# Altium PCB LimeSDR-QPCIe_1v2.PcbDoc (part 7 of 21) (continued)
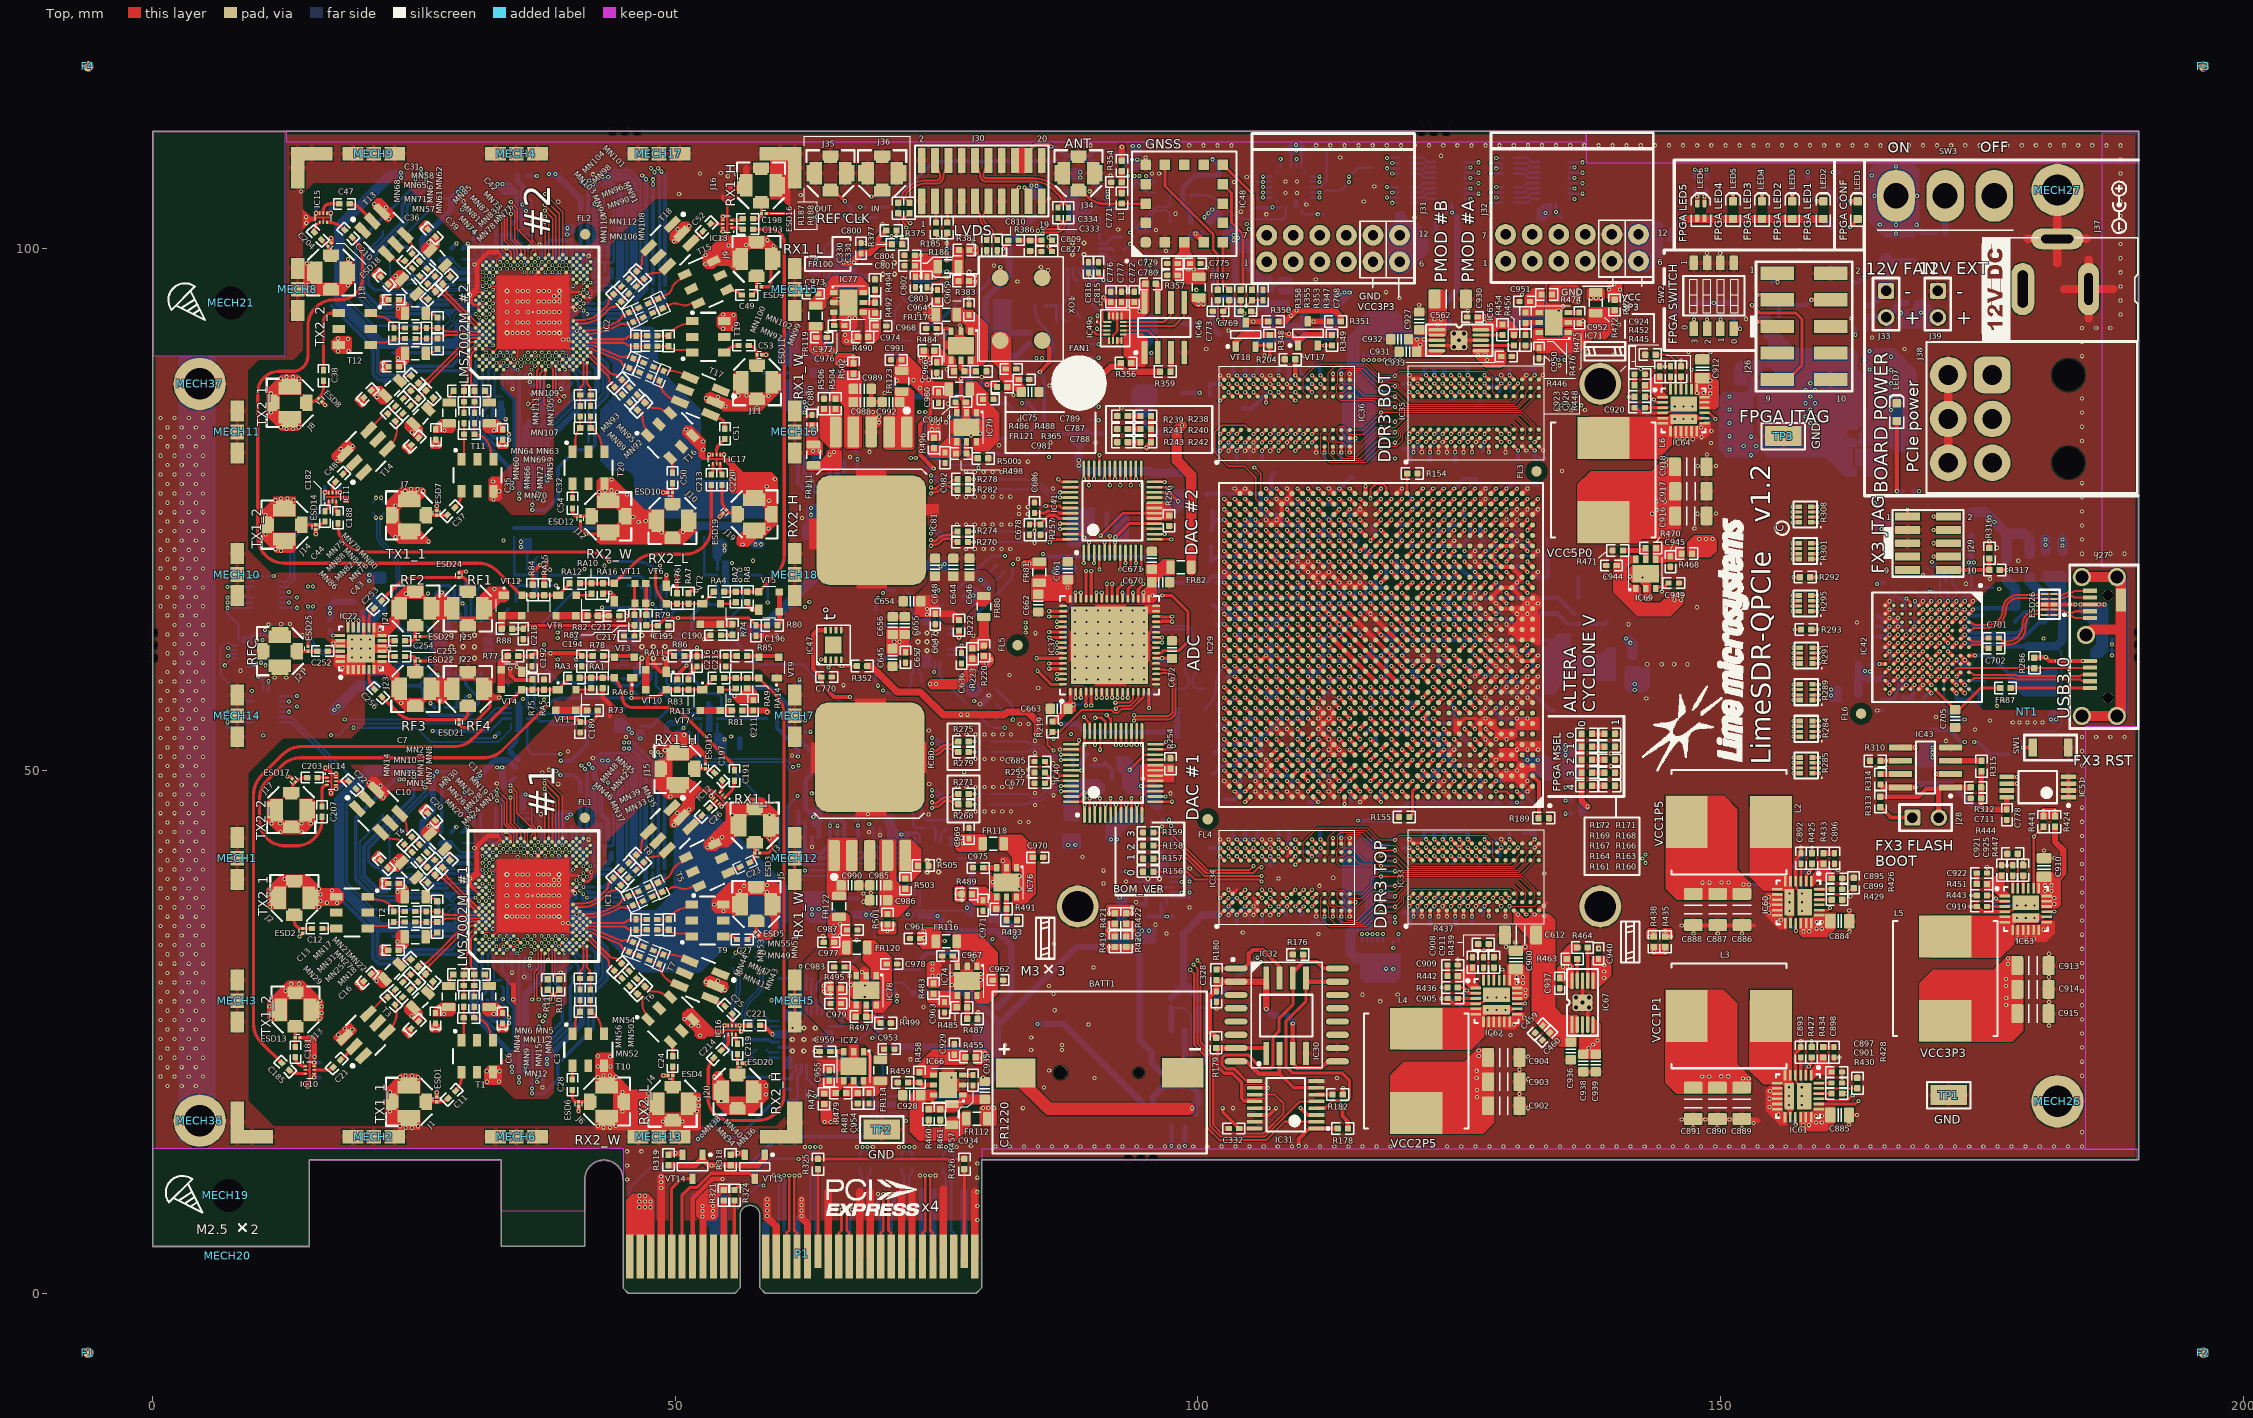
[diagram p0: Top view]
## Nets (pads, with @x,y where several pads share a name; then routed paths per layer and width w, separated by ;. In a path a pad name is that pad's centre, name@x,y a point inside that pad or via, vN(x,y) a via of type N, cw(c..) or ccw(c..) an arc to the next point about the centre after c; other vN are vias at no path point) (continued)
  Top w0.4: IC29.AJ7@126.025,75.5 v2(126.525,76)
  L10 w0.1: v1(117.525,87.275) 118.375,88.125 119.02,88.125 119.65,87.495 119.65,86.258 121.875,84.033 121.875,83.575 123.05,82.4 123.05,81.275 123.275,81.05 124.575,81.05 125,80.625 125,79.35 127.075,77.275 127.075,76.55 v2(126.525,76)
  Bottom w0.254: v1(117.525,87.275) R203.2@118.2,87.275
DDR3_BOT_A13: IC29.AK7 IC35.T3 IC36.T3 R203.8 | length 41.6
  Top w0.1: IC36.T3@114.525,82.6 115.85,82.6 v1(117.525,84.275) 117.525,84.27 130.98,84.27 IC35.T3@132.625,82.625
  Top w0.4: IC29.AK7@126.025,76.5 v2(126.525,77)
  L10 w0.1: v1(117.525,84.275) 117.363,84.113 116.812,84.113 116.625,84.3 116.625,84.875 118.15,86.4 118.942,86.4 121.475,83.867 121.475,81.125 121.825,80.775 121.825,80.337 122.087,80.075 123.675,80.075 124.225,79.525 124.225,78.9 124.375,78.75 125.017,78.75 125.3,78.467 125.3,78.2 125.15,78.05 124.4,78.05 124.225,77.875 124.225,77.6 124.375,77.45 126.075,77.45 v2(126.525,77)
  Bottom w0.254: v1(117.525,84.275) R203.8@118.2,84.275
DDR3_BOT_BA0: IC29.AH9 IC35.M2 IC36.M2 R200.8 | length 33.3
  Top w0.309: v1(110.925,81.4) IC36.M2@111.325,81.8 ; IC35.M2@129.425,81.825 v1(129.825,81.425)
  Top w0.4: IC29.AH9@124.025,74.5 v2(124.525,75)
  L3 w0.1: v2(124.525,75) 124.525,75.495 129,79.97 129,80.6 v1(129.825,81.425)
  L10 w0.1: v1(110.925,81.4) 112.825,83.3 118.125,83.3 118.65,82.775 120.3,82.775 120.65,82.425 120.65,81.175 119.35,79.875 ; v1(118.875,79.875) 119.35,79.875 ; v2(124.525,75) 124.525,75.495 123.05,76.97 123.05,77.425 121.275,79.2 120.025,79.2 119.35,79.875
  Bottom w0.254: R200.8@118.2,79.875 v1(118.875,79.875) v1@118.9,79.875
DDR3_BOT_BA1: IC29.AH10 IC35.N8 IC36.N8 R205.5 | length 45.4
  Top w0.309: v1(111.725,87) IC36.N8@112.125,86.6 ; IC35.N8@130.225,86.625 v1(130.625,87.025)
  Top w0.4: IC29.AH10@123.025,74.5 v2(123.525,75)
  L3 w0.1: v2(123.525,75) 123.9,74.625 123.9,73.12 124.37,72.65 124.67,72.65 124.875,72.855 124.875,74.855 130.25,80.23 130.25,80.825 130.625,81.2 v1(130.625,87.025)
  L12 w0.1: v1(117.35,89.275) 117.875,89.8 125.758,89.8 126.433,90.475 128.292,90.475 130.625,88.142 v1(130.625,87.025)
  L8 w0.1: v1(111.725,87) 111.725,87.305 114.245,89.825 116.795,89.825 117.345,89.275 v1(117.35,89.275)
  Bottom w0.254: v1@117.35,89.25 v1(117.35,89.275) R205.5@117.35,89.95
DDR3_BOT_BA2: IC29.AJ10 IC35.M3 IC36.M3 R205.8 | length 45.5
  Top w0.1: v1@110.88,82.245 v1(110.925,82.2)
  Top w0.309: v1(110.925,82.2) IC36.M3@111.325,82.6 ; IC35.M3@129.425,82.625 v1(129.825,82.225)
  Top w0.4: IC29.AJ10@123.025,75.5 v2(123.525,76)
  L10 w0.1: v1(110.925,82.2) 115.85,87.125 v1(115.85,89.275)
  L12 w0.1: v1(115.85,89.275) 116.2,89.625 117.417,89.625 117.792,90 125.675,90 126.35,90.675 128.375,90.675 131,88.05 131,83.4 v1(129.825,82.225) 130.175,81.875 130.175,80.1 128.625,78.55 127.57,78.55 125.67,76.65 124.175,76.65 v2(123.525,76)
  Bottom w0.254: v1@115.85,89.25 v1(115.85,89.275) R205.8@115.85,89.95
DDR3_BOT_CASN: IC29.AF9 IC35.K3 IC36.K3 R205.4 | length 38.9
  Top w0.309: v1(109.325,82.2) IC36.K3@109.725,82.6 ; v1(127.425,82.225) IC35.K3@127.825,82.625
  Top w0.4: IC29.AF9@124.025,72.5 v2(124.525,73)
  L3 w0.1: v2(124.525,73) 124.15,73.375 124.15,76.13 125,76.98 125,77.697 127.425,80.122 127.425,80.775 127.775,81.125 127.775,81.875 v1(127.425,82.225)
  L10 w0.1: v1(117.85,89.275) 117.855,89.275 118.205,88.925 118.917,88.925 119.317,88.525 120.508,88.525 121.558,87.475 122,87.475 122.2,87.275 122.2,84.933 124.033,83.1 126.033,83.1 126.558,82.575 127.075,82.575 v1(127.425,82.225)
  L8 w0.1: v1(109.325,82.2) 115.35,88.225 116.8,88.225 v1(117.85,89.275)
  Bottom w0.254: v1@117.85,89.25 v1(117.85,89.275) R205.4@117.85,89.95
DDR3_BOT_CK_N: IC29.AA14 IC35.K7 IC36.K7 R202.2 R207.2 | length 52.3
  Top w0.309: v1(109.325,86.2) IC36.K7@109.725,85.8 ; v1(127.425,86.225) IC35.K7@127.825,85.825
  Top w0.4: IC29.AA14@119.025,67.5 v2(119.525,68)
  L6 w0.1: v1(109.325,86.2) 109.625,85.9 110.533,85.9 110.741,85.691 114.309,85.691 116.992,88.375 126.225,88.375 126.725,87.875 126.725,87.425 127.025,87.125 127.025,86.625 v1(127.425,86.225) 127.125,85.925 127.125,84.525 128.375,83.275 128.375,80.117 125.833,77.575 125.425,77.575 125.15,77.3 125.15,76.742 124.758,76.35 124.38,76.35 124.125,76.095 124.125,75.692 123.833,75.4 123.4,75.4 123.125,75.125 123.125,74.825 123.075,74.775 123.075,74.772 122.753,74.45 122.75,74.45 122.675,74.375 122.25,74.375 122.125,74.25 122.125,73.767 121.808,73.45 120.767,73.45 120.375,73.45 120.15,73.225 120.15,71.847 119.653,71.35 118.38,71.35 118.175,71.145 118.175,70.855 118.175,68.225 118.8,67.6 119.275,67.6 119.525,67.85 v2(119.525,68)
  Bottom w0.1: R202.2@108.575,86.3 108.675,86.2 v1(109.325,86.2) ; v1(127.425,86.225) 127.125,85.925 127.125,85.35 R207.2@127.525,84.95
DDR3_BOT_CK_P: IC29.Y13 IC35.J7 IC36.J7 R202.1 R207.1 | length 52.3
  Top w0.309: IC36.J7@108.925,85.8 v1(109.325,85.4) ; v1(126.625,86.225) IC35.J7@127.025,85.825
  Top w0.4: v2(119.525,67) IC29.Y13@120.025,66.5
  L6 w0.1: v1(109.325,85.4) 109.625,85.7 110.45,85.7 110.659,85.491 114.391,85.491 114.4,85.5 117.075,88.175 126.142,88.175 126.525,87.792 126.525,87.425 126.225,87.125 126.225,86.625 v1(126.625,86.225) 126.925,85.925 126.925,84.442 128.175,83.192 128.175,80.2 125.75,77.775 125.342,77.775 124.95,77.383 124.95,76.825 124.675,76.55 124.297,76.55 123.925,76.178 123.925,75.775 123.75,75.6 123.317,75.6 122.925,75.208 122.925,74.908 122.875,74.858 122.875,74.855 122.67,74.65 122.667,74.65 122.592,74.575 122.167,74.575 121.925,74.333 121.925,73.85 121.725,73.65 120.292,73.65 119.95,73.308 119.95,71.93 119.57,71.55 118.297,71.55 117.975,71.228 117.975,70.772 117.975,68.142 118.717,67.4 119.275,67.4 119.525,67.15 v2(119.525,67)
  Bottom w0.1: R202.1@108.575,85.3 108.675,85.4 v1(109.325,85.4) ; R207.1@126.525,84.95 126.925,85.35 126.925,85.925 v1(126.625,86.225)
DDR3_BOT_CKE: IC29.AK18 IC35.K9 IC36.K9 R204.1 | length 36.5
  Top w0.309: v1(109.325,87.8) IC36.K9@109.725,87.4 ; v1(127.425,87.825) IC35.K9@127.825,87.425
  Top w0.4: v1(109.325,87.8) R204.1@109.325,89.35 ; v2(114.525,77) IC29.AK18@115.025,76.5
  L6 w0.1: v1(109.325,87.8) 108.9,87.375 108.9,85.003 113.3,80.603 113.3,78.225 v2(114.525,77)
  L10 w0.1: v1(109.325,87.8) 111.35,89.825 125.425,89.825 v1(127.425,87.825)
DDR3_BOT_CSN: IC29.Y12 IC35.L2 IC36.L2 R205.7 | length 51.5
  Top w0.309: v1(110.125,81.4) IC36.L2@110.525,81.8 ; IC35.L2@128.625,81.825 v1(129.025,81.425)
  Top w0.4: IC29.Y12@121.025,66.5 v2(121.525,67)
  L6 w0.1: v1(116.35,89.275) 116.825,88.8 126.945,88.8 128,87.745 128,83.933 128.625,83.308 128.625,81.825 v1(129.025,81.425)
  L8 w0.1: v1(110.125,81.4) 109.725,81.8 109.175,81.8 108.975,82 108.975,82.525 114.125,87.675 114.125,88.125 114.875,88.875 115.95,88.875 v1(116.35,89.275) ; v2(121.525,67) 121.875,67.35 121.875,69.855 124.875,72.855 124.875,73.572 125.125,73.822 125.125,74.095 128.45,77.42 128.45,80.85 v1(129.025,81.425)
  Bottom w0.254: v1@116.35,89.25 v1(116.35,89.275) R205.7@116.35,89.95
DDR3_BOT_DM0: IC29.AE15 IC35.E7 | length 27.1
  Top w0.309: v1(123.425,86.225) IC35.E7@123.825,85.825
  Top w0.4: IC29.AE15@118.025,71.5 v2(118.525,72)
  L8 w0.1: v2(118.525,72) 118.975,72.45 122.875,72.45 123.053,72.628 123.647,72.628 124.925,73.905 124.925,74.905 127.275,77.255 127.275,80.78 127.775,81.28 127.775,83.985 128.275,84.485 128.275,84.602 128.275,84.692 128.275,85.869 127.57,86.575 124.08,86.575 123.73,86.225 v1(123.425,86.225)
DDR3_BOT_DM1: IC29.AH19 IC35.D3 | length 19.7
  Top w0.309: v1(122.625,82.225) IC35.D3@123.025,82.625
  Top w0.4: IC29.AH19@114.025,74.5 v2(114.525,75)
  L8 w0.1: v2(114.525,75) 114.9,74.625 115.85,74.625 117.125,73.35 122.37,73.35 122.875,73.855 122.875,74.145 122.075,74.945 122.075,78.95 121.8,79.225 121.8,80.625 122.225,81.05 122.225,81.575 122.625,81.975 v1(122.625,82.225)
DDR3_BOT_DM2: IC29.AJ23 IC36.E7 | length 13.4
  Top w0.309: v1(105.325,86.2) IC36.E7@105.725,85.8
  Top w0.4: v2(109.525,76) IC29.AJ23@110.025,75.5
  L8 w0.1: v1(105.325,86.2) 105.325,82.75 105.7,82.375 105.7,80.475 105.975,80.2 106.313,80.2 109.15,77.363 109.15,76.375 v2(109.525,76)
DDR3_BOT_DM3: IC29.AJ27 IC36.D3 | length 13.4
  Top w0.15: IC36.D3@104.925,82.6 104.475,83.05 102.275,83.05 101.625,82.4 101.625,80.425 102.95,79.1 104.475,79.1 105.55,78.025 105.55,75.975 IC29.AJ27@106.025,75.5
DDR3_BOT_DQ0: IC29.AF15 IC35.E3 | length 21.6
  Top w0.309: v1(123.425,82.225) IC35.E3@123.825,82.625
  Top w0.4: v2(117.525,73) IC29.AF15@118.025,72.5
  L3 w0.1: v2(117.525,73) 117.525,73.505 119.37,75.35 119.85,75.35 120.1,75.6 120.1,77.07 120.38,77.35 122.097,77.35 122.675,77.928 122.675,78.043 ccw(c122.371,78.043) 122.371,78.347 121.164,78.347 cw(c121.164,78.651) 120.86,78.651 cw(c121.164,78.651) 121.164,78.955 122.675,78.955 124.283,78.955 ccw(c124.283,79.259) 124.587,79.259 ccw(c124.283,79.259) 124.283,79.563 122.675,79.563 122.502,79.563 cw(c122.502,79.867) 122.198,79.867 cw(c122.502,79.867) 122.502,80.171 ccw(c122.502,80.344) 122.675,80.344 122.675,80.475 122.675,80.775 123.075,81.175 123.075,81.875 ; 123.1,81.875 123.1,81.9 v1(123.425,82.225)
DDR3_BOT_DQ1: IC29.AE16 IC35.F7 | length 20.8
  Top w0.309: v1(124.225,86.225) IC35.F7@124.625,85.825
  Top w0.4: IC29.AE16@117.025,71.5 v2(117.525,72)
  L6 w0.1: v2(117.525,72) 119.14,73.615 119.14,75.182 119.403,75.445 120.465,75.445 121.37,76.35 122.37,76.35 123.37,77.35 123.67,77.35 123.95,77.35 124.975,78.375 124.975,80.65 125.425,81.1 125.425,85.025 v1(124.225,86.225)
DDR3_BOT_DQ2: IC29.AJ14 IC35.F2 | length 21
  Top w0.309: v1(124.225,81.425) IC35.F2@124.625,81.825
  Top w0.4: IC29.AJ14@119.025,75.5 v2(119.525,76)
  L6 w0.1: v2(119.525,76) 119.125,76.4 119.125,77.15 119.725,77.75 122.107,77.75 122.6,78.243 122.6,80.725 122.225,81.1 122.225,82.4 ccw(c121.921,82.4) 121.921,82.704 121.692,82.704 cw(c121.692,83.008) 121.388,83.008 cw(c121.692,83.008) 121.692,83.312 122.225,83.312 122.758,83.312 ccw(c122.758,83.616) 123.062,83.616 ccw(c122.758,83.616) 122.758,83.92 122.529,83.92 cw(c122.529,84.224) 122.225,84.224 122.225,84.25 122.225,84.35 122.425,84.55 124.425,84.55 124.625,84.35 124.625,81.825 v1(124.225,81.425)
DDR3_BOT_DQ3: IC29.AH15 IC35.F8 | length 21.8
  Top w0.309: v1(124.225,87.025) IC35.F8@124.625,86.625
  Top w0.4: IC29.AH15@118.025,74.5 v2(118.525,75)
  L3 w0.1: v2(118.525,75) 119.1,75.575 119.1,77.3 121.875,80.075 121.875,80.629 122.175,80.929 122.175,82.27 122.48,82.575 124.25,82.575 124.6,82.925 124.6,83.2 ccw(c124.296,83.2) 124.296,83.504 123.934,83.504 cw(c123.934,83.808) 123.63,83.808 cw(c123.934,83.808) 123.934,84.112 124.6,84.112 125.266,84.112 ccw(c125.266,84.416) 125.57,84.416 ccw(c125.266,84.416) 125.266,84.72 124.6,84.72 123.934,84.72 cw(c123.934,85.024) 123.63,85.024 cw(c123.934,85.024) 123.934,85.328 124.296,85.328 ccw(c124.296,85.632) 124.6,85.632 124.6,86.65 v1(124.225,87.025)
DDR3_BOT_DQ4: IC29.AE17 IC35.H3 | length 21.7
  Top w0.309: v1(125.825,82.225) IC35.H3@126.225,82.625
  Top w0.4: v2(115.525,71) IC29.AE17@116.025,71.5
  L3 w0.1: v2(115.525,71) 116.03,71 122.38,77.35 123.087,77.35 125,79.263 125,80.684 124.575,81.109 124.575,82.55 124.816,82.791 124.816,83.691 125,83.875 125.8,83.875 125.975,83.7 125.975,82.375 v1(125.825,82.225)
DDR3_BOT_DQ5: IC29.AD17 IC35.H8 | length 21.7
  Top w0.309: v1(125.825,87.025) IC35.H8@126.225,86.625
  Top w0.4: IC29.AD17@116.025,70.5 v2(116.525,71)
  L3 w0.1: v2(116.525,71) 117.175,71.65 117.67,71.65 125.875,79.855 125.875,80.809 126.175,81.109 126.175,86.675 v1(125.825,87.025)
DDR3_BOT_DQ6: IC29.AJ15 IC35.G2 | length 21
  Top w0.309: v1(125.025,81.425) IC35.G2@125.425,81.825
  Top w0.4: IC29.AJ15@118.025,75.5 v2(118.525,76)
  L6 w0.1: v2(118.525,76) 118.03,76 117.175,75.145 117.175,74.6 117.425,74.35 118.725,74.35 118.94,74.565 118.94,75.265 119.32,75.645 119.845,75.645 120.1,75.9 120.1,76.15 120.55,76.6 121.63,76.6 122.58,77.55 123.753,77.55 123.867,77.55 124.2,77.883 124.2,77.968 ccw(c123.896,77.968) 123.896,78.272 123.424,78.272 cw(c123.424,78.576) 123.12,78.576 cw(c123.424,78.576) 123.424,78.88 124.2,78.88 124.391,78.88 ccw(c124.391,79.184) 124.695,79.184 ccw(c124.391,79.184) 124.391,79.488 124.2,79.488 123.424,79.488 cw(c123.424,79.792) 123.12,79.792 cw(c123.424,79.792) 123.424,80.096 123.896,80.096 ccw(c123.896,80.4) 124.2,80.4 124.2,80.85 124.775,81.425 v1(125.025,81.425)
DDR3_BOT_DQ7: IC29.AF14 IC35.H7 | length 21.6
  Top w0.309: v1(125.825,86.225) IC35.H7@126.225,85.825
  Top w0.4: IC29.AF14@119.025,72.5 v2(119.525,73)
  L3 w0.1: v2(119.525,73) 120.15,73.625 120.645,73.625 123.647,76.628 123.875,76.855 123.875,77.572 126.975,80.672 126.975,86.375 126.75,86.6 126.533,86.6 126.175,86.958 126.175,87.325 126.025,87.475 125.625,87.475 125.375,87.225 125.375,86.95 125.825,86.5 v1(125.825,86.225)
DDR3_BOT_DQ8: IC29.AK17 IC35.D7 | length 20.9
  Top w0.309: v1(122.625,86.225) IC35.D7@123.025,85.825
  Top w0.4: IC29.AK17@116.025,76.5 v2(116.025,77.207)
  L6 w0.1: v2(116.025,77.207) 116.025,78.225 ccw(c115.721,78.225) 115.721,78.529 115.384,78.529 cw(c115.384,78.833) 115.08,78.833 cw(c115.384,78.833) 115.384,79.137 116.025,79.137 116.666,79.137 ccw(c116.666,79.441) 116.97,79.441 ccw(c116.666,79.441) 116.666,79.745 116.025,79.745 115.384,79.745 cw(c115.384,80.049) 115.08,80.049 cw(c115.384,80.049) 115.384,80.353 116.025,80.353 116.666,80.353 ccw(c116.666,80.657) 116.97,80.657 ccw(c116.666,80.657) 116.666,80.961 116.329,80.961 cw(c116.329,81.265) 116.025,81.265 116.025,82.125 116.025,82.4 117.475,83.85 120.25,83.85 v1(122.625,86.225)
DDR3_BOT_DQ9: IC29.AK16 IC35.C3 | length 21.8
  Top w0.309: v1(121.825,82.225) IC35.C3@122.225,82.625
  Top w0.4: IC29.AK16@117.025,76.5 v2(117.525,77)
  L3 w0.1: v2(117.525,77) 117.525,77.45 ccw(c117.221,77.45) 117.221,77.754 117.099,77.754 cw(c117.099,78.058) 116.795,78.058 cw(c117.099,78.058) 117.099,78.362 117.525,78.362 117.871,78.362 ccw(c117.871,78.666) 118.175,78.666 ccw(c117.871,78.666) 117.871,78.97 117.525,78.97 117.099,78.97 cw(c117.099,79.274) 116.795,79.274 cw(c117.099,79.274) 117.099,79.578 117.221,79.578 ccw(c117.221,79.882) 117.525,79.882 117.525,80.225 117.525,80.3 118,80.775 118,82.8 117.4,83.4 117.4,83.65 118,84.25 118,86.15 118.175,86.325 119.83,86.325 120.08,86.575 120.37,86.575 120.575,86.37 120.575,85.15 121.4,84.325 121.4,82.775 121.825,82.35 v1(121.825,82.225)
DDR3_BOT_DQ10: IC29.AG17 IC35.C8 | length 21.6
  Top w0.309: v1(121.825,87.025) IC35.C8@122.225,86.625
  Top w0.4: v2(115.525,74) IC29.AG17@116.025,73.5
  L3 w0.1: v2(115.525,74) 116.525,74 116.775,74.25 116.775,76.038 117.1,76.363 117.1,77.3 116.575,77.825 116.575,79.65 117.075,80.15 117.075,86.45 117.275,86.65 118.2,86.65 118.675,87.125 119.025,87.125 119.375,86.775 119.675,86.775 119.85,86.95 119.85,87.25 119.975,87.375 120.37,87.375 120.675,87.07 120.675,86.85 120.925,86.6 121.4,86.6 v1(121.825,87.025)
DDR3_BOT_DQ11: IC29.AJ18 IC35.C2 | length 21
  Top w0.309: v1(121.825,81.425) IC35.C2@122.225,81.825
  Top w0.4: v2(114.525,76) IC29.AJ18@115.025,75.5
  L6 w0.1: v2(114.525,76) 115.1,76.575 117.605,76.575 119.225,78.195 119.225,78.475 ccw(c118.921,78.475) 118.921,78.779 118.039,78.779 cw(c118.039,79.083) 117.735,79.083 cw(c118.039,79.083) 118.039,79.387 119.225,79.387 120.411,79.387 ccw(c120.411,79.691) 120.715,79.691 ccw(c120.411,79.691) 120.411,79.995 119.529,79.995 cw(c119.529,80.299) 119.225,80.299 cw(c119.529,80.299) 119.529,80.603 119.824,80.603 ccw(c119.824,80.907) 120.128,80.907 ccw(c119.824,80.907) 119.824,81.211 119.529,81.211 cw(c119.529,81.515) 119.225,81.515 119.225,81.575 119.225,82 120.025,82.8 121,82.8 121.45,82.35 121.45,82.025 121.825,81.65 v1(121.825,81.425)
DDR3_BOT_DQ12: IC29.AG16 IC35.A7 | length 21.6
  Top w0.309: v1(120.225,86.225) IC35.A7@120.625,85.825
  Top w0.4: IC29.AG16@117.025,73.5 v2(117.525,74)
  L3 w0.1: v2(117.525,74) 117.525,74.495 118.875,75.845 118.875,77.358 119.48,77.963 119.48,78.218 cw(c119.784,78.218) 119.784,78.522 119.913,78.522 ccw(c119.913,78.826) 120.217,78.826 ccw(c119.913,78.826) 119.913,79.13 119.784,79.13 cw(c119.784,79.434) 119.48,79.434 cw(c119.784,79.434) 119.784,79.738 120.122,79.738 ccw(c120.122,80.042) 120.426,80.042 ccw(c120.122,80.042) 120.122,80.346 119.784,80.346 cw(c119.784,80.65) 119.48,80.65 119.48,80.88 119.675,81.075 121.275,81.075 121.475,81.275 121.475,82.4 121.125,82.75 120.75,82.75 120.475,83.025 120.475,83.6 120.625,83.75 120.9,83.75 121.125,83.975 121.125,84.3 120.75,84.675 119.525,84.675 119.2,85 119.2,85.55 119.525,85.875 119.875,85.875 v1(120.225,86.225)
DDR3_BOT_DQ13: IC29.AF16 IC35.A2 | length 21.7
  Top w0.309: v1(120.225,81.425) IC35.A2@120.625,81.825
  Top w0.4: v2(116.525,72) IC29.AF16@117.025,72.5
  L3 w0.1: v2(116.525,72) 116.747,72 117.175,72.428 117.175,73.867 117.175,75.375 117.325,75.525 117.925,75.525 118.1,75.7 118.1,76.175 118.275,76.35 118.55,76.35 118.675,76.475 118.675,76.875 118.503,77.047 118.253,77.047 118.075,77.225 118.075,77.5 118.225,77.65 118.884,77.65 119.03,77.795 119.03,78 118.905,78.125 118.75,78.125 118.575,78.3 118.575,78.525 118.775,78.725 119.05,78.725 119.264,78.939 119.264,79.981 118.775,80.47 118.775,80.75 119.28,81.255 119.28,81.475 118.4,82.355 118.4,83.842 118.658,84.1 119.517,84.1 120.025,83.592 120.025,82.575 119.775,82.325 119.775,81.875 v1(120.225,81.425)
DDR3_BOT_DQ14: IC29.AJ19 IC35.B8 | length 21.7
  Top w0.309: v1(121.025,87.025) IC35.B8@121.425,86.625
  Top w0.4: v2(113.525,76) IC29.AJ19@114.025,75.5
  L3 w0.1: v2(113.525,76) 114.03,76 115.1,77.07 115.1,77.7 ccw(c114.796,77.7) 114.796,78.004 114.701,78.004 cw(c114.701,78.308) 114.397,78.308 cw(c114.701,78.308) 114.701,78.612 115.1,78.612 115.499,78.612 ccw(c115.499,78.916) 115.803,78.916 ccw(c115.499,78.916) 115.499,79.22 115.404,79.22 cw(c115.404,79.524) 115.1,79.524 115.1,80.375 115.525,80.8 115.775,81.05 115.775,86.275 117.75,88.25 120.4,88.25 121.025,87.625 v1(121.025,87.025)
DDR3_BOT_DQ15: IC29.AH20 IC35.A3 | length 21.6
  Top w0.309: v1(120.225,82.225) IC35.A3@120.625,82.625
  Top w0.4: IC29.AH20@113.025,74.5 v2(113.525,75)
  L3 w0.1: v2(113.525,75) 114.15,74.375 114.645,74.375 115.37,73.65 116.675,73.65 116.975,73.95 116.975,75.955 117.875,76.855 117.875,77.854 118.375,78.354 118.375,78.7 cw(c118.637,78.7) 118.637,78.962 ccw(c118.637,79.266) 118.941,79.266 ccw(c118.637,79.266) 118.637,79.57 118.375,79.57 118.029,79.57 cw(c118.029,79.874) 117.725,79.874 cw(c118.029,79.874) 118.029,80.178 118.071,80.178 ccw(c118.071,80.482) 118.375,80.482 118.375,81.425 118.375,81.975 118.2,82.15 118.2,83.925 118.575,84.3 119.6,84.3 120.225,83.675 v1(120.225,82.225)
DDR3_BOT_DQ16: IC29.AE18 IC36.E3 | length 21
  Top w0.309: v1(105.325,82.2) IC36.E3@105.725,82.6
  Top w0.4: v2(114.525,72) IC29.AE18@115.025,71.5
  L6 w0.1: v1(105.325,82.2) 104.9,81.775 104.405,81.775 104.15,81.52 104.15,80.272 104.003,80.125 103.075,80.125 102.9,79.95 102.9,79.675 103.15,79.425 103.75,79.425 105.85,77.325 106.7,77.325 106.875,77.15 106.875,76.725 107.15,76.45 107.57,76.45 107.9,76.12 107.9,75.6 108.125,75.375 108.645,75.375 111.37,72.65 111.925,72.65 112.225,72.35 114.175,72.35 v2(114.525,72)
DDR3_BOT_DQ17: IC29.AD18 IC36.F7 | length 21.7
  Top w0.309: v1(106.525,85.234) IC36.F7@106.525,85.8
  Top w0.4: v2(114.525,71) IC29.AD18@115.025,70.5
  L3 w0.1: v1(106.525,85.234) 106.741,85.234 108.075,83.9 108.075,83.573 cw(c107.771,83.573) 107.771,83.269 107.766,83.269 ccw(c107.766,82.965) 107.462,82.965 ccw(c107.766,82.965) 107.766,82.661 107.771,82.661 cw(c107.771,82.357) 108.075,82.357 108.075,80.815 108.075,80.511 108.075,80.207 cw(c107.771,80.207) 107.771,79.903 107.079,79.903 ccw(c107.079,79.599) 106.775,79.599 ccw(c107.079,79.599) 107.079,79.295 107.771,79.295 cw(c107.771,78.991) 108.075,78.991 108.075,78.687 108.075,78.079 108.075,77.975 108.075,77.945 114.525,71.495 v2(114.525,71)
DDR3_BOT_DQ18: IC29.AJ20 IC36.F2 | length 21
  Top w0.309: v1(106.125,81.4) IC36.F2@106.525,81.8
  Top w0.4: v2(112.525,76) IC29.AJ20@113.025,75.5
  L6 w0.1: v1(106.125,81.4) 105.875,81.4 105.741,81.534 105.741,82.279 105.47,82.55 104.225,82.55 103.925,82.85 103.925,84.267 104.183,84.525 107.467,84.525 108.95,83.042 108.95,80.4 109.125,80.225 110.517,80.225 111.875,78.867 111.875,76.75 112.525,76.1 v2(112.525,76)
DDR3_BOT_DQ19: IC29.AK22 IC36.F8 | length 21.7
  Top w0.309: v1(106.125,87) IC36.F8@106.525,86.6
  Top w0.4: v2(110.525,77) IC29.AK22@111.025,76.5
  L3 w0.1: v1(106.125,87) 106.5,86.625 107,86.625 107.275,86.35 107.275,85.775 110.525,82.525 110.525,81.2 cw(c110.221,81.2) 110.221,80.896 110.016,80.896 ccw(c110.016,80.592) 109.712,80.592 ccw(c110.016,80.592) 110.016,80.288 110.525,80.288 110.814,80.288 cw(c110.814,79.984) 111.118,79.984 cw(c110.814,79.984) 110.814,79.68 110.525,79.68 109.558,79.68 ccw(c109.558,79.376) 109.254,79.376 ccw(c109.558,79.376) 109.558,79.072 110.525,79.072 111.226,79.072 cw(c111.226,78.768) 111.53,78.768 cw(c111.226,78.768) 111.226,78.464 110.525,78.464 109.558,78.464 ccw(c109.558,78.16) 109.254,78.16 ccw(c109.558,78.16) 109.558,77.856 110.221,77.856 cw(c110.221,77.552) 110.525,77.552 110.525,77.25 v2(110.525,77)
DDR3_BOT_DQ20: IC29.AF19 IC36.H3 | length 20.7
  Top w0.309: v1(107.725,82.2) IC36.H3@108.125,82.6
  Top w0.4: v2(113.525,73) IC29.AF19@114.025,72.5
  L6 w0.1: v1(107.725,82.2) 108.15,81.775 108.15,81.15 108.437,80.863 108.437,80.188 108.95,79.675 108.95,79.3 108.95,79.024 ccw(c109.254,79.024) 109.254,78.72 109.746,78.72 cw(c109.746,78.416) 110.05,78.416 cw(c109.746,78.416) 109.746,78.112 108.95,78.112 108.485,78.112 ccw(c108.485,77.808) 108.181,77.808 ccw(c108.485,77.808) 108.485,77.504 108.646,77.504 cw(c108.646,77.2) 108.95,77.2 108.95,76.725 109.15,76.525 111.495,76.525 112.887,75.133 112.887,74.737 112.575,74.425 111.325,74.425 111.125,74.225 111.125,73.825 112.4,72.55 113.075,72.55 v2(113.525,73)
DDR3_BOT_DQ21: IC29.AF18 IC36.H8 | length 21.7
  Top w0.309: v1(107.725,87) IC36.H8@108.125,86.6
  Top w0.4: v2(114.525,73) IC29.AF18@115.025,72.5
  L3 w0.1: v1(107.725,87) 108.075,86.65 108.075,86.05 111.75,82.375 111.75,80.15 ccw(c112.054,80.15) 112.054,79.846 112.617,79.846 cw(c112.617,79.542) 112.921,79.542 cw(c112.617,79.542) 112.617,79.238 112.054,79.238 ccw(c112.054,78.934) 111.75,78.934 ccw(c112.054,78.934) 112.054,78.63 112.617,78.63 cw(c112.617,78.326) 112.921,78.326 cw(c112.617,78.326) 112.617,78.022 112.054,78.022 ccw(c112.054,77.718) 111.75,77.718 111.75,77.525 111.75,77.275 113.075,75.95 113.075,74.945 114.525,73.495 v2(114.525,73)
DDR3_BOT_DQ22: IC29.AH21 IC36.G2 | length 20.9
  Top w0.309: v1(106.925,81.4) IC36.G2@107.325,81.8
  Top w0.4: v2(111.525,75) IC29.AH21@112.025,74.5
  L6 w0.1: v1(106.925,81.4) 107.275,81.05 107.275,80.7 107.275,80.432 cw(c106.971,80.432) 106.971,80.128 104.785,80.128 ccw(c104.785,79.824) 104.481,79.824 ccw(c104.785,79.824) 104.785,79.52 107.275,79.52 108.446,79.52 cw(c108.446,79.216) 108.75,79.216 cw(c108.446,79.216) 108.446,78.912 107.275,78.912 106.125,78.912 ccw(c106.125,78.608) 105.821,78.608 ccw(c106.125,78.608) 106.125,78.304 106.971,78.304 cw(c106.971,78) 107.275,78 107.275,77.755 109.605,75.425 111.1,75.425 v2(111.525,75)
DDR3_BOT_DQ23: IC29.AK23 IC36.H7 | length 21.6
  Top w0.309: v1(107.725,86.2) IC36.H7@108.125,85.8
  Top w0.4: v2(109.525,77) IC29.AK23@110.025,76.5
  L3 w0.1: v1(107.725,86.2) 107.325,86.6 107.325,87.25 107.45,87.375 107.875,87.375 108.075,87.575 108.075,88.35 107.825,88.6 105.45,88.6 104.875,88.025 104.875,86.75 105.075,86.55 105.704,86.55 106.82,85.434 106.824,85.434 108.275,83.983 108.275,83.025 108.875,82.425 108.875,81.25 108.275,80.65 108.275,78.028 109.303,77 v2(109.525,77)
DDR3_BOT_DQ24: IC29.AG19 IC36.D7 | length 20.8
  Top w0.309: v1(104.525,86.2) IC36.D7@104.925,85.8
  Top w0.4: v2(113.525,74) IC29.AG19@114.025,73.5
  L6 w0.1: v1(104.525,86.2) 104.95,85.775 106.925,85.775 111.738,80.962 111.738,79.962 112.55,79.15 112.55,77.47 113.825,76.195 113.825,75.478 114.175,75.128 114.175,74.845 114.875,74.145 114.875,73.75 114.6,73.475 114.05,73.475 v2(113.525,74)
DDR3_BOT_DQ25: IC29.AG18 IC36.C3 | length 21
  Top w0.309: v1(103.725,82.2) IC36.C3@104.125,82.6
  Top w0.4: v2(114.525,74) IC29.AG18@115.025,73.5
  L6 w0.1: v1(103.725,82.2) 103.725,84.35 104.1,84.725 107.55,84.725 109.675,82.6 109.675,81.35 112.075,78.95 112.075,76.945 113.935,75.085 113.935,74.59 v2(114.525,74)
DDR3_BOT_DQ26: IC29.AH24 IC36.C8 | length 21.7
  Top w0.309: v1(103.725,87) IC36.C8@104.125,86.6
  Top w0.4: v2(108.525,75) IC29.AH24@109.025,74.5
  L3 w0.1: v1(103.725,87) 103.375,87.35 101.98,87.35 100.975,86.345 100.975,78.055 101.355,77.675 101.95,77.675 103.275,76.35 103.68,76.35 104.38,75.65 107.097,75.65 107.747,75 v2(108.525,75)
DDR3_BOT_DQ27: IC29.AK25 IC36.C2 | length 21.7
  Top w0.309: v1(103.725,81.4) IC36.C2@104.125,81.8
  Top w0.4: v2(107.525,77) IC29.AK25@108.025,76.5
  L3 w0.1: v1(103.725,81.4) 104.075,81.75 104.075,83.65 103.75,83.975 101.575,83.975 101.375,84.175 101.375,84.9 101.525,85.05 105.075,85.05 105.75,84.375 105.75,84.141 cw(c105.446,84.141) 105.446,83.837 105.187,83.837 ccw(c105.187,83.533) 104.883,83.533 ccw(c105.187,83.533) 105.187,83.229 105.446,83.229 cw(c105.446,82.925) 105.75,82.925 105.75,78.125 106,77.875 106.65,77.875 v2(107.525,77)
DDR3_BOT_DQ28: IC29.AE20 IC36.A7 | length 21.7
  Top w0.309: v1(102.125,85.4) IC36.A7@102.525,85.8
  Top w0.4: v2(112.525,72) IC29.AE20@113.025,71.5
  L3 w0.1: v1(102.125,85.4) 102.275,85.25 105.158,85.25 105.966,84.441 105.966,82.853 106.475,82.345 106.475,80.375 105.95,79.85 105.95,78.4 106.275,78.075 106.733,78.075 107.443,77.365 107.665,77.365 110.38,74.65 110.725,74.65 111.175,74.2 111.175,73.845 111.9,73.12 111.9,72.625 v2(112.525,72)
DDR3_BOT_DQ29: IC29.AD19 IC36.A2 | length 21.7
  Top w0.309: v1(102.125,81.4) IC36.A2@102.525,81.8
  Top w0.4: v2(113.525,71) IC29.AD19@114.025,70.5
  L3 w0.1: v1(102.125,81.4) 102.575,80.95 103.87,80.95 104.1,80.72 104.1,80.15 104.1,80.099 ccw(c104.404,80.099) 104.404,79.795 104.558,79.795 cw(c104.558,79.491) 104.862,79.491 cw(c104.558,79.491) 104.558,79.187 104.1,79.187 103.642,79.187 ccw(c103.642,78.883) 103.338,78.883 ccw(c103.642,78.883) 103.642,78.579 103.796,78.579 cw(c103.796,78.275) 104.1,78.275 104.1,77.8 104.55,77.35 106.68,77.35 108.175,75.855 108.38,75.65 108.653,75.65 109.175,75.128 109.175,74.855 109.58,74.45 110.57,74.45 110.975,74.045 110.975,73.762 111.175,73.562 111.175,72.855 113.03,71 v2(113.525,71)
DDR3_BOT_DQ30: IC29.AG24 IC36.B8 | length 21.7
  Top w0.309: v1(102.925,87) IC36.B8@103.325,86.6
  Top w0.4: v2(108.525,74) IC29.AG24@109.025,73.5
  L3 w0.1: v1(102.925,87) 102.625,87 102.275,86.65 101.675,86.65 101.175,86.15 101.175,78.3 101.575,77.9 102.125,77.9 103.375,76.65 104.067,76.65 104.342,76.375 104.7,76.375 104.95,76.125 106.025,76.125 106.275,76.375 106.655,76.375 107.68,75.35 108.67,75.35 108.875,75.145 108.875,74.35 v2(108.525,74)
DDR3_BOT_DQ31: IC29.AK26 IC36.A3 | length 21.7
  Top w0.309: v1(102.125,82.2) IC36.A3@102.525,82.6
  Top w0.4: v2(106.525,77) IC29.AK26@107.025,76.5
  L3 w0.1: v1(102.125,82.2) 102.475,82.55 103.375,82.55 103.825,83 103.825,83.55 103.6,83.775 101.525,83.775 101.375,83.625 101.375,80.35 ccw(c101.679,80.35) 101.679,80.046 102.817,80.046 cw(c102.817,79.742) 103.121,79.742 cw(c102.817,79.742) 102.817,79.438 101.679,79.438 ccw(c101.679,79.134) 101.375,79.134 101.375,78.83 101.375,78.55 101.375,78.383 101.658,78.1 103.475,78.1 103.65,77.925 103.65,77.37 104.445,76.575 104.783,76.575 105.033,76.325 105.375,76.325 105.55,76.5 105.55,76.95 105.75,77.15 106.375,77.15 v2(106.525,77)
DDR3_BOT_DQS0_N: IC29.AA16 IC35.G3 | length 24.6
  Top w0.309: v1(125.025,82.225) IC35.G3@125.425,82.625
  Top w0.4: v2(116.525,68) IC29.AA16@117.025,67.5
  L10 w0.1: v2(116.525,68) 117.125,68.6 118.62,68.6 119.67,69.65 122.725,69.65 123.175,70.1 123.175,73.155 124.67,74.65 125.67,74.65 127.875,76.855 127.875,77.175 125.775,79.275 125.775,80.725 125.425,81.075 125.425,81.6 125.025,82 v1(125.025,82.225)
DDR3_BOT_DQS0_P: IC29.Y16 IC35.F3 | length 23.6
  Top w0.309: v1(124.225,82.225) IC35.F3@124.625,82.625
  Top w0.4: v2(116.525,67) IC29.Y16@117.025,66.5
  L8 w0.1: v2(116.525,67) 117.15,67.625 117.15,72.145 117.405,72.4 118.55,72.4 118.8,72.65 122.675,72.65 123.875,73.85 123.875,74.145 123.1,74.92 123.1,77.07 124.175,78.145 124.175,80.65 124.575,81.05 124.575,81.6 124.225,81.95 v1(124.225,82.225)